# KiCad board video.kicad_pcb (continued)
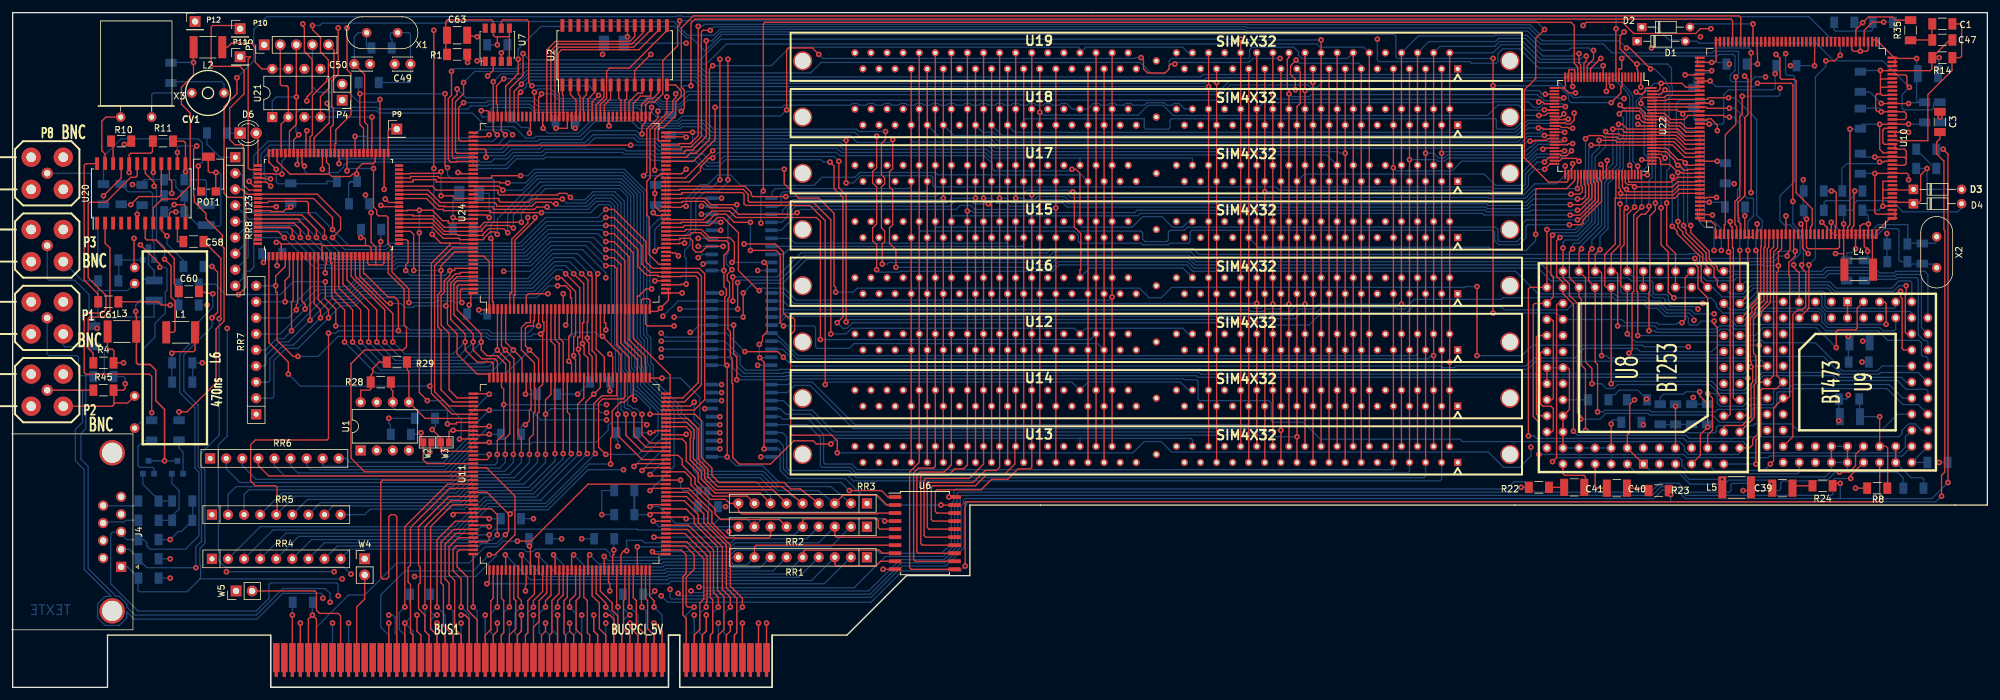
[diagram p0: board, top side]
## Routing (per net, layer and track width the routed paths; a pad name or vN(x,y) marks a point on that pad's centre or on a via; arc(x,y) is an arc through that point) (continued)
/MXA5: length 226.7
  top_copper w0.2: U19.17 U18.17 U17.17 U15.17 U16.17 U14.17 208.03,35.56 ; v1(71.25,92.46) 70.48,91.69 70.48,86.61 70.74,86.36 72.39,86.36 ; v1(178.31,99.57) 178.69,99.19 178.69,97.79 179.32,97.15 182.12,97.15 182.75,97.79 182.75,98.3 183.01,98.55 v1(183.64,98.55) ; v1(122.3,91.31) 122.3,100.84 122.56,101.09 126.37,101.09 v1(127.38,100.08)
  VCC_layer w0.2: v1(200.28,99.44) 200.66,99.82 200.66,100.97 200.91,101.22 202.44,101.22 203.2,100.46 203.2,99.95 203.71,99.44 207.77,99.44 208.03,99.19 U19.17
  bottom_copper w0.2: v1(127.38,100.08) 128.02,99.44 177.29,99.44 177.42,99.57 v1(178.31,99.57) ; v1(183.64,98.55) 183.9,98.81 195.33,98.81 195.96,99.44 v1(200.28,99.44) ; v1(122.3,91.31) 121.32,90.33 105.79,90.33 105.03,89.57 100.83,89.57 98.75,91.64 91.54,91.64 91.36,91.82 83.06,91.82 82.17,92.71 75.06,92.71 74.8,92.46 v1(71.25,92.46)
/MXA6: length 206.8
  top_copper w0.2: U13.18 U14.18 U12.18 U16.18 U15.18 U18.18 U19.18 v1(206.76,102.36) ; v1(79.88,99.31) 79.88,97.03 77.9,95.05 77.9,90.63
  bottom_copper w0.2: v1(206.76,102.36) 195.28,102.36 194.41,103.23 112.07,103.23 109.41,100.58 107.28,102.72 106.46,102.72 104.68,104.5 83.46,104.5 79.88,100.92 v1(79.88,99.31)
/MXA7: length 190
  top_copper w0.2: U13.28 U14.28 U12.28 U16.28 U15.28 U18.28 U19.28 v1(194.06,102.49) ; v1(80.65,100.21) 80.65,96.78 78.56,94.69 78.56,90.63
  bottom_copper w0.2: v1(80.65,100.21) 81.66,99.2 108.6,99.2 111.89,102.49 v1(194.06,102.49)
/MXA8: length 178.5
  top_copper w0.2: U19.31 v1(190.25,95.63) U18.31 U17.31 U15.31 U16.31 U14.31 190.25,35.56 ; v1(80.39,95.38) 79.25,94.23 79.25,90.68 79.2,90.63
  bottom_copper w0.2: v1(190.25,95.63) 189.62,95.63 189.36,95.88 188.72,95.88 188.34,95.5 108.97,95.5 107.95,96.52 81.53,96.52 v1(80.39,95.38)
/MXA9: length 176
  top_copper w0.2: U19.32 v1(188.98,95) U18.32 U15.32 U16.32 U12.32 U14.32 U13.32 ; 79.86,90.63 79.88,90.68 79.88,93.73 v1(80.26,94.11)
  bottom_copper w0.2: v1(80.26,94.11) 81.15,95 81.15,95.38 81.79,96.01 107.7,96.01 108.71,95 v1(188.98,95)
/MXA10: length 191.6
  top_copper w0.2: U19.19 v1(205.49,95.63) U18.19 U17.19 U15.19 U16.19 U14.19 205.49,35.56 ; 82.45,90.63 v1(82.45,94.11)
  bottom_copper w0.2: v1(82.45,94.11) 82.96,94.61 85.09,94.61 86.61,93.09 91.99,93.09 92.22,92.85 99.76,92.85 100.15,93.24 102,93.24 102.61,92.63 104.95,92.63 106.55,94.23 190.63,94.23 192.28,95.88 204.6,95.88 204.86,95.63 v1(205.49,95.63)
/OE_PAL-: length 76.5
  top_copper w0.2: 266.24,95.55 266.24,95.88 ; 266.24,95.88 266.24,96.19 ; 266.24,95.88 v1(268.22,95.88) ; v1(282.7,66.8) 282.7,66.29 283.34,65.66 283.34,60.2 282.83,59.69 282.07,59.69 281.31,58.93 281.31,39.62 U9.28 ; v1(275.72,95.5) 281.05,95.5 281.31,95.25 v1(281.31,76.83)
  bottom_copper w0.2: v1(268.22,95.88) 269.11,95 275.21,95 v1(275.72,95.5) ; v1(282.7,66.8) 282.96,67.06 282.96,71.63 281.31,73.28 v1(281.31,76.83)
/pal-ntsc.sch/C-VIDEO: length 20.2
  top_copper w0.2: 297.43,76.68 300.15,76.68 D4.1 301.01,76.48 301.5,76.96 301.5,81.03 v1(302.51,82.04)
  bottom_copper w0.2: 300.74,82.04 v1(302.51,82.04) 302.51,78.99 302.77,78.74 D3.2
/pal-ntsc.sch/VAF: length 147.1
  top_copper w0.2: 269.82,102.36 269.16,102.36 269.16,99.06 268.91,98.81 v1(268.48,98.81) 266.24,98.81 ; v1(299.59,92.3) 295.28,92.3 v1(295.28,92.33) ; v1(268.61,74.68) 268.61,74.75 266.24,74.75 ; 297.43,87.1 297.43,87.76 v1(299.59,87.76) ; 266.24,74.75 266.24,75.39 ; 266.24,74.75 266.24,74.09 266.57,73.76 268.35,73.76 269.09,73.02 269.09,71.25 269.11,71.25 269.16,71.17 269.82,71.17 ; 297.43,74.75 297.43,75.39 ; 297.43,74.75 297.43,74.04 296.55,74.04 294.51,72.01 294.51,71.17 293.88,71.17 293.88,66.17 294,66.04 ; 297.43,74.75 296.93,74.8 294.51,74.8 294.26,75.06 v1(294.26,81.25) 297.43,81.25 297.43,81.28 299.34,81.28 299.59,81.03 v1(299.59,80.26) ; 297.43,99.44 v1(300.86,99.44) ; 297.43,99.44 297.43,98.15 ; 297.43,99.44 294.51,102.36 293.88,102.36 ; 266.24,98.81 266.24,98.15 ; 266.24,98.81 266.24,99.44
  VCC_layer w0.2: v1(271.27,98.55) 271.27,96.27 272.03,95.5 272.03,92.33 ; 272.03,92.33 v1(295.28,92.33) ; 272.03,92.33 v1(272.03,79.63) 272.03,75.18 271.53,74.68 v1(268.61,74.68) ; v1(299.59,80.26) v1(299.59,87.76) 300.2,87.76 300.46,88.01 300.46,91.44 v1(299.59,92.3)
  bottom_copper w0.2: v1(272.03,79.63) 270.64,79.63 ; v1(271.27,98.55) 270.76,98.55 270.76,98.81 v1(268.48,98.81) ; v1(299.59,92.3) 299.75,92.46 302.01,92.46 302.13,92.58 301.12,92.58 300.86,92.84 v1(300.86,99.44) ; v1(295.28,92.33) 293.5,94.11 291.97,94.11 ; v1(294.26,81.25) 291.97,81.25
/pal-ntsc.sch/Y-VIDEO: length 61
  top_copper w0.2: v1(299.72,94.87) 299.34,95.25 299.34,96.6 299.08,96.85 297.43,96.85
  bottom_copper w0.2: 304.55,92.58 303.78,92.58 303.53,92.33 303.53,91.57 303.28,91.31 298.83,91.31 298.58,91.57 298.58,93.73 v1(299.72,94.87) 295.53,99.06 287.78,99.06 284.99,101.85 266.45,101.85 266.14,102.16 D1.2 264.12,102.36 261.75,102.36 259.72,104.39 D2.1
/pal-ntsc.sch/Y_SYNC: length 12.6
  top_copper w0.2: 291.26,102.36 291.26,104.01 v1(292.35,105.11) 293.24,105.99 297.05,105.99 297.55,105.49 R35.2
  bottom_copper w0.2: 291.08,105.16 291.47,105.11 v1(292.35,105.11)
/PCA0: length 326.1
  top_copper w0.2: 271.4,68.83 271.4,69.09 271.27,69.21 271.12,69.21 271.12,71.17 ; 271.4,68.83 v1(271.14,68.83) ; 271.4,68.83 271.4,43.18 271.14,42.93 U8.17 ; v1(51.43,104.27) 51.43,96.9 50.42,95.88 50.42,91.87 50.67,91.61 50.67,88.95 50.24,88.52 50.24,84.33
  GND_layer w0.2: v1(51.43,104.27) 52.58,105.41 104.01,105.41 105.16,104.27 107.31,104.27 108.59,103 108.59,101.6 109.09,101.09 109.09,97.92 109.73,97.28 112.65,97.28 115.19,99.82 115.19,104.39 115.44,104.65 240.28,104.65 241.81,103.12 248.67,103.12 250.57,105.03 255.4,105.03 256.03,104.39 256.03,103.63 256.29,103.38 266.19,103.38 v1(266.7,102.87)
  VCC_layer w0.2: v1(271.14,68.83) 271.14,72.14 270.13,73.15 267.33,73.15 266.32,74.17 266.32,101.98 266.7,102.36 v1(266.7,102.87) ; U9.24 276.35,40.64 275.84,41.15 274.19,41.15 273.81,41.53 271.78,41.53 U8.17
/PCA1: length 315.8
  top_copper w0.2: 50.9,84.33 50.9,85.98 51.05,85.98 51.05,88.14 53.47,90.55 53.47,97.03 52.83,97.66 v1(52.83,104.27) ; U8.18 272.16,45.47 271.91,45.72 271.91,69.47 271.75,69.47 271.75,72.77 271.65,72.77 271.4,73.02 v1(271.4,73.66)
  VCC_layer w0.2: v1(271.4,73.66) 267.72,73.66 267.08,74.29 267.08,100.97 267.84,101.73 267.84,103.12 267.21,103.76 267.21,105.41 266.95,105.66 254.89,105.66 254.63,105.41 252.6,105.41 250.32,103.12 241.43,103.12 240.16,104.39 113.16,104.39 111.89,103.12 106.06,103.12 104.68,104.5 103.97,104.5 103.73,104.27 68.71,104.27 67.44,103 65.53,103 65.28,103.25 65.28,104.65 65.21,104.71 53.28,104.71 v1(52.83,104.27) ; U9.25 279.78,41.4 279.53,41.66 276.73,41.66 U8.18
/PCA2: length 281
  top_copper w0.2: v1(51.56,82.8) 51.56,84.2 51.54,84.33 ; U8.19 269.37,46.48 269.37,56.9 268.86,57.4 v1(268.86,57.91) ; v1(130.3,57.66) 131.19,58.55 131.19,77.47 129.79,78.87 129.79,82.42 v1(129.16,83.06)
  VCC_layer w0.2: U9.26 277.24,39.12 276.99,39.37 269.88,39.37 269.24,40 269.24,44.32 U8.19
  bottom_copper w0.2: v1(51.56,82.8) 51.56,83.31 51.82,83.57 72.64,83.57 73.66,82.55 77.85,82.55 79.38,84.07 83.82,84.07 84.33,84.58 96.39,84.58 96.65,84.33 100.97,84.33 101.47,83.82 108.33,83.82 109.73,82.42 111.63,82.42 112.65,83.44 127.76,83.44 128.14,83.06 v1(129.16,83.06) ; v1(268.86,57.91) 266.83,57.91 266.19,57.28 265.05,57.28 264.8,57.53 264.8,58.42 264.54,58.67 261.11,58.67 259.84,59.94 258.44,59.94 257.68,60.71 246.63,60.71 245.62,59.69 235.71,59.69 235.2,60.2 221.23,60.2 220.22,59.18 206.76,59.18 204.85,57.28 194.69,57.28 194.31,57.66 132.72,57.66 131.83,56.77 131.19,56.77 v1(130.3,57.66)
/PTADR-: length 162.8
  top_copper w0.2: 83.74,55.88 83.74,47.88 83.19,47.37 83.19,43.54 82.93,43.31 v1(82.93,36.83) ; 83.74,55.88 v1(83.44,55.88) ; 83.74,55.88 83.74,56.26 83.95,56.26 83.95,57.78 83.74,57.78 83.74,59.44 ; v1(49.91,56.01) 49.91,39.37 49.66,39.12 38.35,39.12 37.61,38.37 37.61,32.62 38.35,31.88 41.53,31.88 41.78,31.62 41.78,27.43 RR5.5 ; 55.45,68.33 55.45,65.4 55.63,65.4 59.31,61.72 60.32,61.72 60.96,61.09 v1(60.96,56.39)
  bottom_copper w0.2: v1(83.44,55.88) 82.3,55.88 81.91,55.5 75.44,55.5 74.93,56.01 61.34,56.01 v1(60.96,56.39) 51.43,56.39 51.05,56.01 v1(49.91,56.01) ; v1(82.93,36.83) 82.93,35.56 80.01,32.64 72.77,32.64 70.36,30.23 44.58,30.23 RR5.5
/PTATN-: length 115.9
  top_copper w0.2: 77.24,59.44 77.24,53.95 v1(77.85,53.34) 79.2,51.99 79.2,36.83 v1(79.12,36.83) ; 51.54,68.33 51.54,63.14 54.99,59.69 v1(54.99,54.61)
  bottom_copper w0.2: RR5.2 34.04,30.48 35.31,31.75 69.6,31.75 72.01,34.16 77.72,34.16 79.12,35.56 v1(79.12,36.83) ; v1(54.99,54.61) 58.93,50.67 75.18,50.67 v1(77.85,53.34)
/PTBE-0: length 55
  top_copper w0.2: 52.83,68.33 52.83,64.39 57.53,59.69 v1(57.53,54.61) ; 77.9,49.35 77.9,51.13 76.58,52.45 74.93,52.45 74.04,53.34 v1(74.04,54.61) 74.04,55.88 70.23,59.69 70.23,63.37 70.51,63.65 72.39,63.65
  bottom_copper w0.2: v1(74.04,54.61) 71.12,51.69 60.45,51.69 v1(57.53,54.61)
/PTBE-1: length 53.2
  top_copper w0.2: v1(58.8,54.61) 58.8,59.69 53.49,65 53.49,68.33 ; 76.61,49.35 76.61,51.54 76.2,51.94 74.17,51.94 72.77,53.34 v1(72.77,54.61) 72.77,55.88 69.72,58.93 69.72,63.75 70.26,64.29 72.39,64.29
  bottom_copper w0.2: v1(58.8,54.61) 61.21,52.2 70.36,52.2 v1(72.77,54.61)
/PTBE-2: length 51.5
  top_copper w0.2: 72.39,64.95 70.23,64.95 69.34,64.01 69.22,63.88 69.22,58.17 71.5,55.88 v1(71.5,54.61) 71.5,53.34 73.41,51.43 75.74,51.43 75.95,51.23 75.95,49.35 ; 54.15,68.33 54.15,65.02 60.07,59.11 v1(60.07,54.61)
  bottom_copper w0.2: v1(60.07,54.61) 61.98,52.7 69.6,52.7 v1(71.5,54.61)
/PTBE-3: length 42.4
  top_copper w0.2: 75.31,49.35 75.31,49.53 73.41,49.53 70.23,52.7 70.23,55.88 68.71,57.4 68.71,60.32 ; v1(59.69,60.71) 59.18,60.71 54.86,65.02 54.86,68.33 54.79,68.33 ; 68.71,60.32 68.71,64.13 69.98,65.4 70.74,65.4 70.74,65.61 72.39,65.61 ; 68.71,60.32 v1(68.45,60.32)
  bottom_copper w0.2: v1(59.69,60.71) 61.34,60.71 61.98,60.07 63.25,60.07 63.5,60.32 v1(68.45,60.32)
/PTBURST: length 54.6
  top_copper w0.2: 80.49,49.35 80.49,51.97 v1(79.12,53.34) 77.9,54.56 77.9,59.44 ; v1(53.72,54.61) 53.72,59.69 50.9,62.51 50.9,68.33
  bottom_copper w0.2: v1(53.72,54.61) 58.17,50.16 75.95,50.16 v1(79.12,53.34)
/PTNUM0: length 43.8
  top_copper w0.2: v1(63.37,65.91) 63.37,71.6 62.87,72.11 60.96,72.11 ; 72.39,45.14 69.6,45.14 67.69,47.04 67.69,56.51 67.18,57.02 67.18,62.1 67.69,62.61 v1(67.69,65.91) 67.69,66.67 69.88,68.86 72.39,68.86
  bottom_copper w0.2: v1(63.37,65.91) v1(67.69,65.91)
/PTNUM1: length 41.6
  top_copper w0.2: 72.39,66.24 69.85,66.24 69.85,65.91 v1(69.09,65.91) 69.09,65.15 68.2,64.26 68.2,62.48 67.69,61.98 67.69,57.28 68.96,56.01 68.96,47.04 70.23,45.77 72.39,45.77 ; v1(62.1,65.91) 62.1,66.8 62.48,67.18 62.48,70.54 62.23,70.79 60.96,70.79
  bottom_copper w0.2: v1(62.1,65.91) 62.87,65.15 68.33,65.15 v1(69.09,65.91)
/PTRDY-: length 111
  top_copper w0.2: 52.2,68.33 52.2,63.75 56.26,59.69 v1(56.26,54.61) ; 76.61,53.34 v1(76.58,53.34) ; 76.61,53.34 76.61,59.44 ; 76.61,53.34 78.56,51.38 78.56,40.08 77.85,39.37 v1(77.85,36.83)
  bottom_copper w0.2: v1(76.58,53.34) 74.42,51.18 59.69,51.18 v1(56.26,54.61) ; v1(77.85,36.83) 77.85,35.56 76.96,34.67 71.75,34.67 69.47,32.38 35.92,32.38 33.75,34.56 RR6.2
/PTWR: length 59.7
  top_copper w0.2: 82.45,59.44 82.45,57.91 82.3,57.91 82.3,57.15 81.41,57.15 81.03,56.77 81.03,53.97 v1(81.66,53.34) 83.11,51.89 83.11,49.35 ; 50.24,68.33 50.24,67.06 50.42,67.06 50.42,61.72 52.45,59.69 v1(52.45,54.61)
  bottom_copper w0.2: v1(81.66,53.34) 77.98,49.66 57.4,49.66 v1(52.45,54.61)
/RAS0-: length 98.1
  top_copper w0.2: v1(110.62,98.3) 110.11,97.79 110.11,86.61 107.95,84.45 107.09,84.45 106.43,83.79 103.58,83.79
  bottom_copper w0.2: U19.34 185.8,100.33 184.91,101.22 169.55,101.22 U19.44 168.66,100.97 168.4,101.22 122.81,101.22 119.89,98.3 v1(110.62,98.3)
/RAS1-: length 94.5
  top_copper w0.2: v1(111,91.71) 111,86.61 107.54,83.16 103.58,83.16
  bottom_copper w0.2: v1(111,91.71) 121.59,91.71 121.94,92.06 122.66,92.06 122.67,92.05 132.42,92.05 132.68,92.31 133.52,92.31 133.78,92.05 134.96,92.05 135.22,92.31 136.06,92.31 136.32,92.05 137.5,92.05 137.76,92.31 138.6,92.31 138.86,92.05 140.04,92.05 140.3,92.31 141.14,92.31 141.4,92.05 142.58,92.05 142.84,92.31 143.68,92.31 143.94,92.05 145.12,92.05 145.38,92.31 146.22,92.31 146.48,92.05 147.66,92.05 147.92,92.31 148.76,92.31 149.02,92.05 150.2,92.05 150.46,92.31 151.3,92.31 151.56,92.05 152.74,92.05 153,92.31 153.84,92.31 154.1,92.05 155.28,92.05 155.54,92.31 156.38,92.31 156.64,92.05 157.82,92.05 158.08,92.31 158.92,92.31 159.18,92.05 160.36,92.05 160.62,92.31 161.46,92.31 161.72,92.05 162.9,92.05 163.16,92.31 164,92.31 164.26,92.05 165.44,92.05 165.7,92.31 166.54,92.31 167.41,91.44 U18.44 169.9,91.44 170.78,92.31 171.62,92.31 171.88,92.05 173.06,92.05 173.32,92.31 174.16,92.31 174.42,92.05 175.6,92.05 175.86,92.31 176.7,92.31 176.96,92.05 178.86,92.05 179.24,92.43 181.95,92.43 182.33,92.05 183.22,92.05 183.48,92.31 184.32,92.31 185.19,91.44 U18.34
/RAS2-: length 87.7
  top_copper w0.2: v1(110.62,84.84) 106.32,80.54 103.58,80.54
  bottom_copper w0.2: 168.66,82.55 168.66,83.69 ; 168.66,83.69 186.44,83.69 186.44,82.55 ; 168.66,83.69 154.56,83.69 153.67,84.58 130.94,84.58 130.3,85.22 111,85.22 v1(110.62,84.84)
/RAS3-: length 97.3
  top_copper w0.2: v1(110.62,83.72) 110.11,83.72 108.69,82.3 108.69,81.66 106.93,79.91 103.58,79.91 ; U15.44 168.66,81.28 168.02,81.91 v1(167.39,81.91)
  bottom_copper w0.2: U15.34 185.8,73.66 184.91,72.77 183.26,72.77 181.61,74.42 178.56,74.42 176.91,72.77 168.91,72.77 168.66,73.02 U15.44 ; v1(110.62,83.72) 111.48,84.58 130.18,84.58 130.68,84.07 153.54,84.07 154.81,82.8 154.81,82.04 155.19,81.66 166.88,81.66 167.13,81.91 v1(167.39,81.91)
/RAS4-: length 98.6
  top_copper w0.2: 103.58,79.25 115.7,79.25 116.71,78.23 116.71,77.85 116.97,77.6 v1(122.17,77.6) ; U16.44 168.66,66.04 168.78,66.04 168.78,71.75 167.77,72.77 167.77,78.1 v1(167.51,78.36)
  bottom_copper w0.2: v1(167.51,78.36) 167,78.36 166.75,78.61 160.27,78.61 159.77,78.1 146.43,78.1 145.92,77.6 v1(122.17,77.6) ; U16.44 170.18,66.29 184.91,66.29 U16.34
/RAS5-: length 105.1
  top_copper w0.2: 103.58,78.61 105.41,78.61 105.41,78.74 115.44,78.74 116.21,77.98 116.21,76.96 116.46,76.71 126.49,76.71 129.29,73.91 v1(129.29,55.88)
  bottom_copper w0.2: v1(129.29,55.88) 131.7,55.88 132.59,56.77 167.77,56.77 U12.44 169.55,56.77 184.91,56.77 185.8,55.88 U12.34
/RAS6-: length 113.5
  top_copper w0.2: v1(128.4,47.88) 128.4,73.79 125.98,76.2 115.82,76.2 115.57,76.45 115.57,77.98 115.32,78.23 105.79,78.23 105.79,77.95 103.58,77.95
  bottom_copper w0.2: v1(128.4,47.88) 128.78,48.26 167.39,48.26 U14.44 169.93,48.26 184.53,48.26 185.8,46.99 U14.34
/RAS7-: length 130.8
  top_copper w0.2: v1(113.66,66.04) 112.9,65.28 112.9,64.39 113.28,64.01 113.28,61.72 113.03,61.47 113.03,56.64 113.41,56.26 113.41,52.32 113.66,52.07 113.66,48.13 113.79,48.01 113.79,36.32 114.81,35.31 119.76,35.31 123.44,38.99 126.49,38.99 127,38.48 v1(129.29,38.48) ; 103.58,77.29 105.54,77.29 105.54,77.34 109.35,77.34 110.36,76.33 v1(114.43,76.33)
  bottom_copper w0.2: 168.66,39.37 130.18,39.37 v1(129.29,38.48) ; 168.66,39.37 U13.44 ; 168.66,39.37 186.18,39.37 186.44,39.12 U13.34 ; v1(113.66,66.04) 112.78,66.93 112.78,68.33 113.03,68.58 113.03,74.04 114.43,75.44 v1(114.43,76.33)
/RDCAD-: length 275.5
  top_copper w0.2: v1(45.21,87.38) 44.4,86.56 44.4,84.33 ; v1(139.57,66.42) 139.57,69.21 138.56,70.23 138.56,72.64 139.06,73.15 139.06,78.61 138.56,79.12 138.56,81.53 139.06,82.04 v1(139.06,86.61)
  VCC_layer w0.2: U8.20 271.91,49.02 271.91,51.31 271.65,51.56 268.35,51.56 266.7,53.21 266.7,59.44 v1(266.32,59.82)
  bottom_copper w0.2: v1(45.21,87.38) 44.77,87.82 44.77,90.74 45.47,91.44 49.4,91.44 49.68,91.17 53.63,91.17 53.65,91.19 57.53,91.19 57.91,90.8 72.64,90.8 74.8,88.65 79.25,88.65 81.03,86.87 82.42,86.87 82.68,87.12 89.66,87.12 92.08,89.53 97.79,89.53 98.97,88.36 105.53,88.36 105.82,88.65 108.84,88.65 110.24,87.25 132.33,87.25 133.41,86.17 138.62,86.17 v1(139.06,86.61) ; v1(139.57,66.42) 161.16,66.42 161.29,66.29 164.21,66.29 165.23,67.31 185.67,67.31 186.69,66.29 241.05,66.29 243.08,64.26 253.87,64.26 254.13,64.01 254.13,62.48 254.38,62.23 258.7,62.23 259.33,61.59 260.86,61.59 261.11,61.34 261.11,60.96 261.87,60.2 265.94,60.2 v1(266.32,59.82)
/RDCDA-: length 273.3
  top_copper w0.2: 45.69,84.33 45.72,84.33 45.72,82.8 v1(46.1,82.42) ; v1(231.39,52.45) v1(231.39,63.37) ; v1(121.92,81.91) 121.92,79.63 124.21,77.34 127.38,77.34 129.79,74.93 129.79,63.5 130.05,63.25 v1(130.05,62.48)
  VCC_layer w0.2: v1(264.8,53.85) 264.8,52.58 267.21,50.16 267.84,50.16 268.22,49.78 268.22,47.75 269.49,46.48 273.94,46.48 U9.22
  bottom_copper w0.2: v1(130.05,62.48) 132.84,62.48 133.48,63.12 178.05,63.12 179.58,61.59 181.48,61.59 183.13,63.25 229.49,63.25 229.62,63.37 v1(231.39,63.37) ; v1(231.39,52.45) 238.51,52.45 240.16,54.1 257.56,54.1 257.81,53.85 v1(264.8,53.85) ; v1(121.92,81.91) 109.22,81.91 107.82,83.31 101.09,83.31 100.58,83.82 84.2,83.82 83.95,83.57 79.63,83.57 78.11,82.04 73.53,82.04 72.52,83.06 52.83,83.06 52.32,82.55 52.32,82.3 51.43,81.41 49.91,81.41 49.66,81.15 46.61,81.15 46.1,81.66 v1(46.1,82.42)
/RDEMPTY: length 10.1
  top_copper w0.2: 84.4,49.35 84.4,59.44
/RDFIFO-: length 66.4
  top_copper w0.2: 85.06,59.44 85.06,54.74 85.7,54.1 v1(85.7,36.96)
  bottom_copper w0.2: RR5.7 48.64,29.21 70.87,29.21 73.28,31.62 81.53,31.62 85.47,35.56 85.47,35.59 85.7,35.81 v1(85.7,36.96)
/RED_IN: length 422.4
  top_copper w0.2: 287.66,31.88 287.66,32.26 v1(288.8,32.26) ; v1(305.05,85.09) 305.82,84.33 v1(305.82,32.38)
  VCC_layer w0.2: v1(50.16,13.46) 50.16,15.37 50.42,15.62 51.69,15.62 52.32,14.99 75.82,14.99 76.84,16 102.11,16 103.5,14.6 104.52,14.6 104.78,14.86 v1(105.16,14.86)
  bottom_copper w0.2: 288.8,29.84 264.29,29.84 262.89,31.24 260.73,31.24 259.33,29.84 150.5,29.84 150.24,29.59 150.24,29.08 149.86,28.7 149.86,22.22 147.32,19.69 140.46,19.69 135.51,14.73 109.6,14.73 109.35,14.48 105.16,14.48 v1(105.16,14.86) ; 288.8,29.84 v1(288.8,32.26) ; 288.8,29.84 303.28,29.84 v1(305.82,32.38) ; v1(305.05,85.09) 304.04,85.09 ; v1(50.16,13.46) 50.16,14.86 49.4,15.62 42.67,15.62 38.48,11.43 19.3,11.43 18.03,12.71 18.03,13.19 16.83,14.39 16.34,14.39 11.94,18.8 11.94,34.92 10.79,36.07 10.79,40.13 11.56,40.89 11.56,49.28 ; P1.1 5.46,52.7 5.71,52.45 10.16,52.45 10.41,52.2 10.41,49.53 10.67,49.28 11.56,49.28 ; 12.7,49.15 12.7,49.28 11.56,49.28
/RED_OUT: length 353.1
  top_copper w0.2: U9.37 290.45,33.53 v1(290.45,33.02) ; 30.23,70.48 32.89,67.82 32.89,58.8 32.64,58.55 v1(32.64,58.29)
  VCC_layer w0.2: v1(52.07,17.14) 52.96,16.26 73.15,16.26 74.04,17.14 75.69,17.14 75.82,17.02 103.76,17.02 104.27,16.51 105.03,16.51 106.3,15.24 v1(107.19,15.24)
  bottom_copper w0.2: v1(32.64,58.29) 32.64,39.88 29.71,36.94 29.71,35.06 30.37,34.39 30.37,23.08 30.35,23.06 30.35,22.73 29.59,21.97 29.59,19.39 29.7,19.28 29.7,17.25 29.59,17.14 ; 16.89,19.05 18.16,19.05 19.94,17.27 19.81,17.27 19.81,15.37 20.07,15.11 27.56,15.11 29.59,17.14 ; v1(52.07,17.14) 29.59,17.14 ; v1(107.19,15.24) 107.44,14.99 109.09,14.99 109.35,15.24 135.25,15.24 140.21,20.19 147.19,20.19 149.35,22.35 149.35,28.83 149.73,29.21 149.73,30.1 149.99,30.35 259.08,30.35 260.48,31.75 263.02,31.75 264.41,30.35 287.4,30.35 287.66,30.61 287.66,32.77 287.91,33.02 v1(290.45,33.02)
/SELECT-: length 110.4
  top_copper w0.2: RR3.4 124.46,31.37 122.94,31.37 121.92,32.38 111.63,32.38 110.49,33.53 110.49,34.67 108.84,36.32 108.84,42.16 107.82,43.18 v1(100.71,43.18) ; v1(88.14,77.47) 87.5,78.1 86.36,78.1 86.11,77.85 76.96,77.85 76.71,78.1 76.71,78.61 66.93,78.61 66.29,79.25 60.96,79.25
  bottom_copper w0.2: v1(88.14,77.47) 88.52,77.09 90.42,77.09 91.69,78.36 95.12,78.36 96.65,76.83 96.65,54.48 97.28,53.85 97.28,50.42 97.66,50.04 97.66,46.61 97.92,46.35 98.55,46.35 100.71,44.2 v1(100.71,43.18)
/SYSRST-: length 358
  top_copper w0.2: 69.09,70.23 69.09,69.98 66.17,67.06 66.17,47.62 ; 69.09,70.23 70.74,70.23 70.74,70.15 72.39,70.15 ; 69.09,70.23 67.69,70.23 v1(66.29,71.63) ; v1(43.56,49.53) 43.56,51.43 40.49,54.51 40.49,68.33 ; v1(66.55,103.89) v1(66.55,82.04) ; 66.17,47.62 v1(65.91,47.62) ; 66.17,47.62 66.17,46.48 69.47,43.18 72.39,43.18 ; v1(268.35,104.14) 266.7,104.14 265.94,103.38 256.16,103.38 254.38,105.16 248.67,105.16 v1(248.16,104.65) ; 273.08,71.17 273.08,73.28 272.67,73.69 272.67,76.71 273.69,77.72 273.69,90.04 274.19,90.55 274.19,96.14 v1(273.69,96.65)
  VCC_layer w0.2: v1(268.35,104.14) 271.78,104.14 273.69,102.23 v1(273.69,96.65) ; v1(248.16,104.65) 247.4,105.41 107.57,105.41 106.55,104.39 105.36,104.39 104.59,105.16 67.82,105.16 v1(66.55,103.89)
  bottom_copper w0.2: v1(65.91,47.62) 45.47,47.62 v1(43.56,49.53) ; v1(66.29,71.63) 66.29,72.9 66.55,73.15 v1(66.55,82.04)
/TVB0: length 73.1
  top_copper w0.2: U8.32 v1(272.92,69.09) ; 259.08,90.78 260.99,90.78 262,89.79 264.16,89.79 264.67,90.3 264.67,90.42 266.19,90.42 266.24,90.35 266.45,90.42 270.38,90.42 270.64,90.17 v1(271.27,90.17)
  bottom_copper w0.2: v1(271.27,90.17) 271.91,90.17 273.05,89.03 273.05,79.12 272.54,78.61 272.54,74.55 272.92,74.17 v1(272.92,69.09) ; U9.61 300.1,64.01 299.85,64.26 298.07,64.26 296.93,63.12 288.16,63.12 287.15,64.13 273.81,64.13 U8.32
/TVB1: length 77.4
  top_copper w0.2: 263.91,91.06 263.25,91.06 263.02,91.29 259.08,91.29 ; 263.91,91.06 266.32,91.06 ; 263.91,91.06 v1(263.91,90.68)
  VCC_layer w0.2: v1(270,69.09) 270,67.82 269.37,67.18 269.37,62.74 270.38,61.72 U8.31
  bottom_copper w0.2: U8.31 271.4,59.69 273.56,59.69 275.97,62.1 285.62,62.1 285.88,61.85 285.88,60.2 286.64,59.44 299.85,59.44 300.1,59.18 U9.62 ; v1(263.91,90.68) 264.16,90.42 264.16,88.26 264.41,88.01 267.08,88.01 267.33,87.76 267.33,73.79 267.59,73.53 268.99,73.53 270,72.52 v1(270,69.09)
/TVB2: length 75.3
  top_copper w0.2: v1(271.27,91.57) 267.73,91.57 267.56,91.74 264.62,91.74 264.59,91.77 U22.94 ; v1(274.19,69.09) 274.19,61.98 U8.30
  bottom_copper w0.2: v1(274.19,69.09) 274.19,73.66 275.08,74.55 275.08,77.22 274.95,77.34 274.07,77.34 273.81,77.6 273.81,89.92 272.16,91.57 v1(271.27,91.57) ; U8.30 273.81,60.71 275.72,62.61 286.13,62.61 286.38,62.36 286.38,60.32 286.77,59.94 297.31,59.94 297.56,60.2 U9.63
/TVB3: length 87.4
  top_copper w0.2: 259.08,92.28 266.32,92.28 266.24,92.3 266.32,92.33 268.35,92.33 v1(268.48,92.46)
  VCC_layer w0.2: v1(268.86,69.09) 268.86,62.36 269.37,61.85 269.37,60.2 270.38,59.18 U8.29
  bottom_copper w0.2: U9.64 297.56,56.64 297.31,56.39 295.53,56.39 295.02,56.9 286.77,56.9 285.88,57.78 285.88,58.93 285.37,59.44 275.84,59.44 273.56,57.15 272.42,57.15 271.4,58.17 U8.29 ; v1(268.48,92.46) 267.59,92.46 267.21,92.84 263.4,92.84 262.89,92.33 262.89,88.26 263.91,87.25 266.32,87.25 266.57,86.99 266.57,73.53 267.33,72.77 268.61,72.77 268.86,72.52 v1(268.86,69.09)
/TVB4: length 82.1
  top_copper w0.2: U8.28 274.32,59.56 274.32,60.07 275.72,61.47 275.72,69.09 v1(275.46,69.09) ; 266.19,92.96 266.24,92.94 ; 266.19,92.96 267.84,92.96 267.84,93.22 v1(271.14,93.22) ; 266.19,92.96 261.42,92.96 261.24,92.79 259.08,92.79 ; v1(296.04,57.4) 296.04,60.71 295.78,60.96 U9.65
  bottom_copper w0.2: v1(271.14,93.22) 272.16,93.22 275.59,89.79 275.59,74.68 276.48,73.79 276.48,72.77 275.46,71.75 v1(275.46,69.09) ; v1(296.04,57.4) 286.89,57.4 286.38,57.91 286.38,59.05 285.5,59.94 275.72,59.94 273.94,58.17 U8.28
/TVB5: length 91.4
  top_copper w0.2: v1(257.3,92.33) 257.3,92.96 257.62,93.27 U22.97 260.98,93.27 260.99,93.27 261.32,93.6 266.24,93.6 ; v1(256.79,55.63) 256.79,62.48 256.67,62.61 256.67,74.17 257.3,74.8 257.94,74.8 258.57,75.44 v1(258.57,76.07)
  VCC_layer w0.2: U9.66 295.02,59.69 294.77,59.94 288.67,59.94 288.42,59.69 288.42,57.53 288.29,57.4 276.1,57.4 275.84,57.15 271.91,57.15 U8.27
  bottom_copper w0.2: v1(257.3,92.33) 259.08,90.55 259.08,80.64 258.57,80.14 v1(258.57,76.07) ; U8.27 v1(256.79,55.63)
/TVB6: length 89.5
  top_copper w0.2: v1(258.57,56.39) 258.57,62.48 258.7,62.61 258.7,74.55 259.59,75.44 v1(259.59,76.58) ; U9.67 291.47,59.94 291.47,56.77 291.21,56.51 288.42,56.51 288.16,56.26 v1(288.16,53.72) ; 259.08,93.78 260.4,93.78 v1(261.11,94.49) 261.34,94.26 266.24,94.26
  bottom_copper w0.2: v1(261.11,94.49) 259.59,92.96 v1(259.59,76.58) ; v1(258.57,56.39) 259.46,56.39 259.72,56.13 269.37,56.13 269.88,56.64 271.02,56.64 272.03,55.63 U8.26 275.34,55.63 276.61,56.9 284.99,56.9 v1(288.16,53.72)
/TVB7: length 98.5
  top_copper w0.2: v1(257.43,75.95) 256.16,74.68 256.16,62.61 255.91,62.36 255.91,53.34 v1(255.4,52.83) ; 259.08,94.28 259.96,94.28 260.35,94.67 260.35,95.38 v1(260.48,95.5) 263.78,95.5 264.39,94.89 266.24,94.89
  VCC_layer w0.2: U9.68 292.48,59.18 292.23,59.44 289.18,59.44 288.93,59.18 288.93,57.15 288.67,56.9 276.35,56.9 276.1,56.64 272.03,56.64 271.65,56.26 271.65,54.36 U8.25
  bottom_copper w0.2: v1(260.48,95.5) 259.38,95.5 256.56,92.69 256.56,91.97 257.81,90.72 257.81,84.33 258.44,83.69 258.44,82.55 257.43,81.53 v1(257.43,75.95) ; U8.25 269.88,52.58 255.65,52.58 v1(255.4,52.83)
/TVG0: length 97.9
  top_copper w0.2: 266.19,78.1 263.4,78.1 262.64,77.34 253.24,77.34 ; v1(252.6,48.01) U8.48 251.84,63.25 251.59,63.5 251.59,68.45 253.24,70.1 253.24,77.34 ; 253.34,81.03 253.34,77.44 253.24,77.34
  bottom_copper w0.2: v1(252.6,48.01) 252.98,48.39 268.48,48.39 269.88,46.99 273.69,46.99 276.48,49.78 287.91,49.78 288.67,49.02 298.45,49.02 299.21,48.26 U9.53
